# Altium PCB CATS-FAT_1..PcbDoc (part 1 of 2)
Units mil, origin at the board's own origin, x right, y up, seen from the top; angles counter-clockwise.
Board outline 3937.01 x 1299.21 mil, 4 copper layers (Top Layer, Mid Layer 1, Mid Layer 2, Bottom Layer), stack 61.811 mil thick; 165 components, 101 nets, 634 pads, 77 vias.
Unrouted connection lines stored in the file: 168.
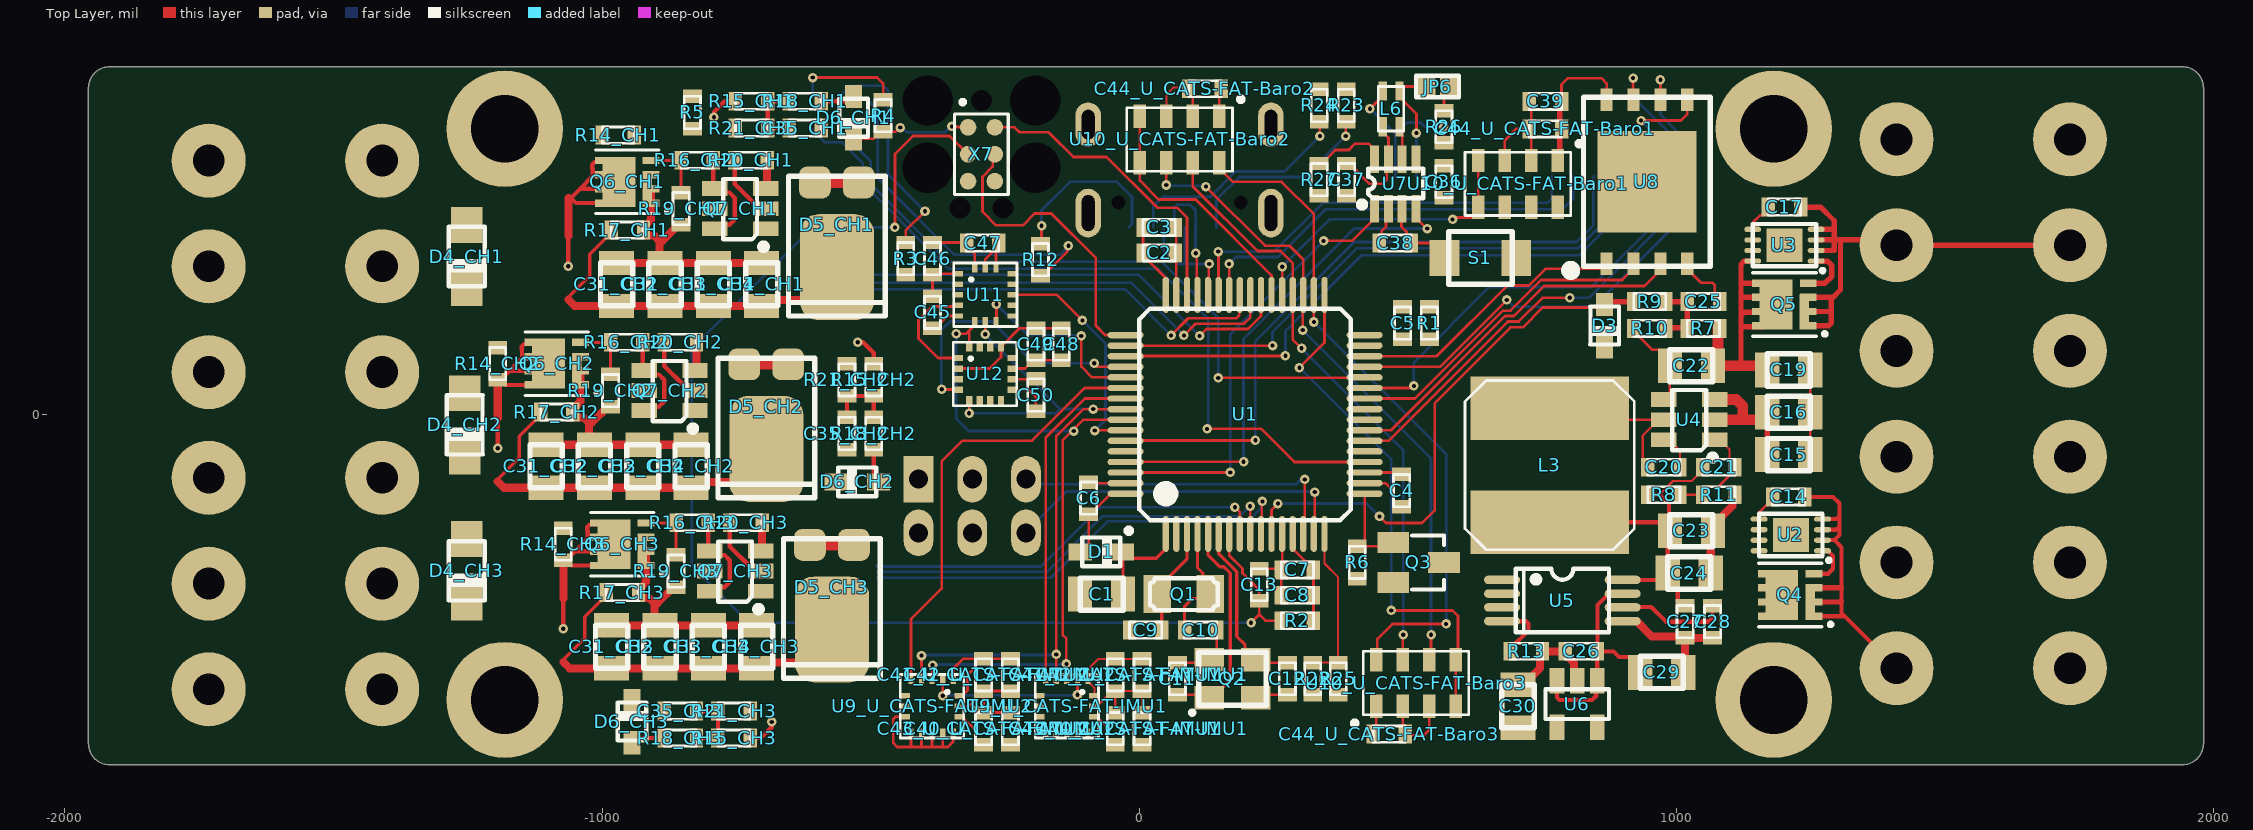
[diagram p0: Top Layer view]
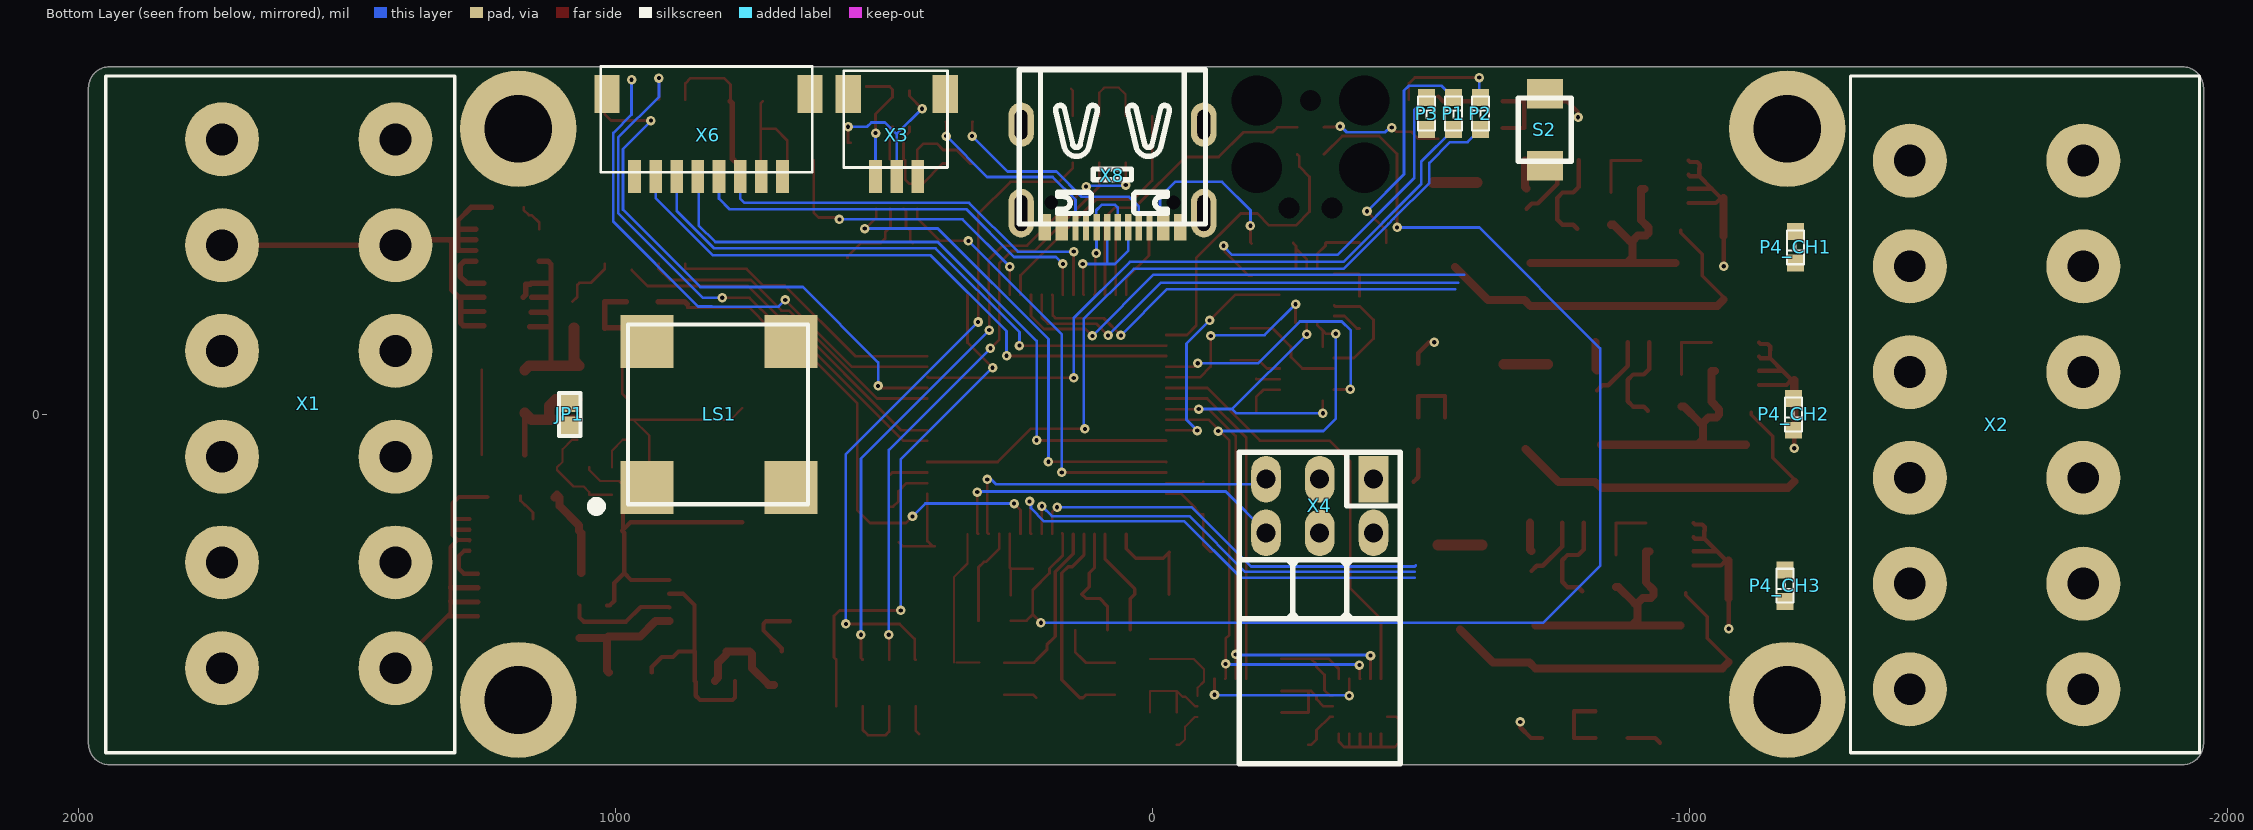
[diagram p1: Bottom Layer view, seen from below]
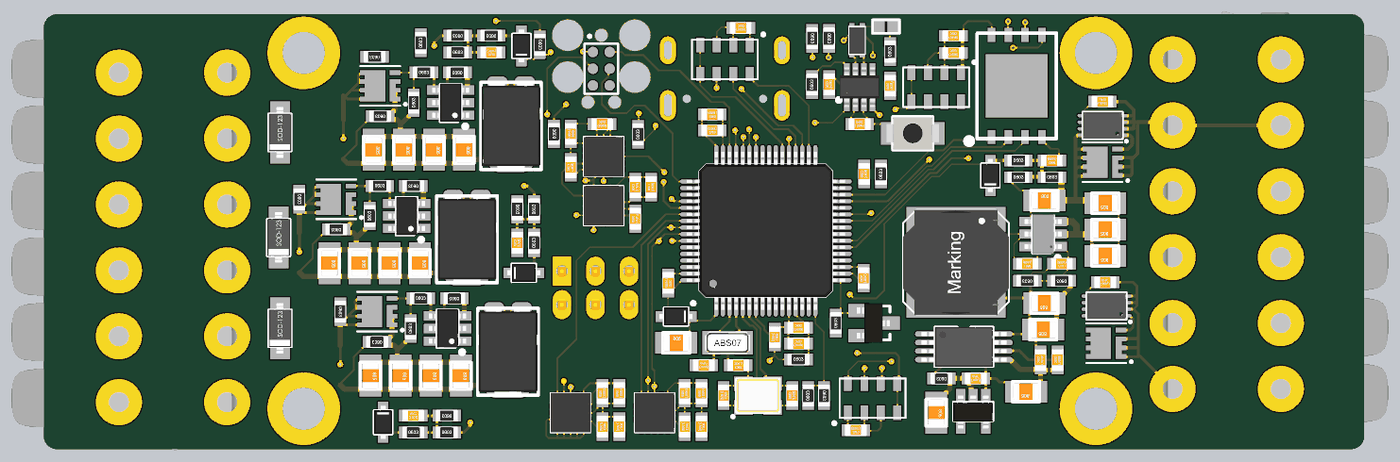
[diagram p3: 3D render of the assembled board from above, using the file's embedded part models]
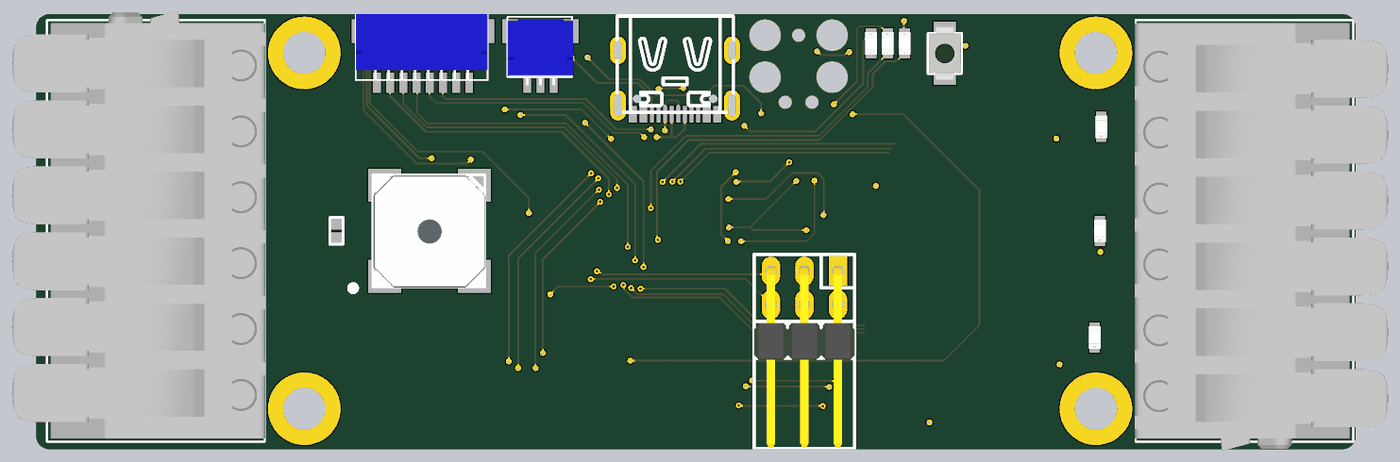
[diagram p4: 3D render of the assembled board from below, using the file's embedded part models]

## Layer stack, top to bottom
Top Solder: solder mask 0.5, Solder Resist, Dk 3.8
Top Layer: signal copper 1.378
Dielectric 1: prepreg 7.874, 7628, Dk 4.6
Mid Layer 1: signal copper 0.689
Core: core 41.9291, FR-4, Dk 4.5
Mid Layer 2: signal copper 0.689
Dielectric 2: prepreg 7.874, 7628, Dk 4.6
Bottom Layer: signal copper 1.378
Bottom Solder: solder mask 0.5, Solder Resist, Dk 3.8

## Board outline
-1916.77,-652.2 cw(c-1916.77,-612.83) -1956.14,-612.83 -1956.14,607.64 cw(c-1916.77,607.64) -1916.77,647.01 1941.5,647.01 cw(c1941.5,607.64) 1980.87,607.64 1980.87,-612.83 cw(c1941.5,-612.83) 1941.5,-652.2

## Design rules (kind name [scope] priority, off if disabled: settings)
Clearance [All] p1: gap=4 ignorepadtopadclearanceinfootprint=FALSE except(5: Arc-Via Track-Via SMDPad-Via THPad-Via Via-Via Via-Fill Via-Poly Via-Region Via-Text; 9.84: Arc-Hole Track-Hole SMDPad-Hole THPad-Hole Via-Hole Fill-Hole Poly-Hole Region-Hole Text-Hole)
DiffPairsRouting [All] p1: maxlimit=4 minlimit=4 mostfreqgap=4 toplayer_minwidth=4 toplayer_maxwidth=71497.94 toplayer_prefwidth=4 midlayer1_minwidth=4 midlayer1_maxwidth=71497.94 midlayer1_prefwidth=4 midlayer2_minwidth=4 midlayer2_maxwidth=71497.94 midlayer2_prefwidth=4 bottomlayer_minwidth=4 bottomlayer_maxwidth=71497.94 bottomlayer_prefwidth=4 maxuncoupledlength=500
PolygonConnect [All] p1: connectstyle=Relief reliefconductorwidth=10 reliefentries=4 polygonreliefangle="90 Angle" airgapwidth=10
RoomDefinition CH3 [InComponentClass('CH3')] p1: confinementstyle=ConfineIn formatcopy=TRUE lockcomponents=FALSE outline -1311.02,-645.67 -464.57,-645.67 -464.57,-171.65 -1311.02,-171.65
RoomDefinition CH2 [InComponentClass('CH2')] p2: confinementstyle=ConfineIn formatcopy=TRUE lockcomponents=FALSE outline -1314.96,-175.59 -448.82,-175.59 -448.82,164.41 -1314.96,164.41
RoomDefinition CH1 [InComponentClass('CH1')] p3: confinementstyle=ConfineIn formatcopy=TRUE lockcomponents=FALSE outline -1311.02,163.04 -464.57,163.04 -464.57,628.55 -1311.02,628.55
RoutingVias [All] p1: holewidth=7.87 width=17.72 viastyle="Through Hole" minholewidth=7.87 minwidth=17.72 maxholewidth=248.03 maxwidth=257.87
SolderMaskExpansion [All] p1: expansion=4
Width [All] p1: maxlimit=71497.94 minlimit=4 preferedwidth=4
29 further rules are at their usual default settings.

## Classes and differential pairs
channel class CATS-FAT-Pyro: CH1 CH2 CH3
channel class CATS-FAT-IMU: U_CATS-FAT-IMU1 U_CATS-FAT-IMU2
channel class CATS-FAT-Baro: U_CATS-FAT-Baro1 U_CATS-FAT-Baro2 U_CATS-FAT-Baro3
net class V_PYRO[1..3]: V_PYRO1 V_PYRO2 V_PYRO3
net class PYRO[1..3]: PYRO1 PYRO2 PYRO3
net class PL[1..3]: PL1 PL2 PL3
net class PH[1..3]: PH1 PH2 PH3
component class U_CATS-FAT-USB: R22 R23 R24 R25 X8
component class U_CATS-FAT-Storage: C39 U8
component class U_CATS-FAT-PM: C20 C21 C22 C23 C24 C25 C26 C27 C28 C29 C30 D3 L3 P3 R7 R8 R9 R10 R11 R12 R13 U4 U5 U6
component class U_CATS-FAT-MCU: C1 C2 C3 C4 C5 C6 C7 C8 C9 C10 C11 C12 C13 D1 LS1 P1 P2 Q1 Q2 Q3 R1 R2 R3 R4 R5 R6 S1 S2 U1 X7
component class U_CATS-FAT-Mageto: C48 C49 C50 U12
component class U_CATS-FAT-IMU2: C40_U_CATS-FAT-IMU2 C41_U_CATS-FAT-IMU2 C42_U_CATS-FAT-IMU2 C43_U_CATS-FAT-IMU2 U9_U_CATS-FAT-IMU2
component class U_CATS-FAT-IMU1: C40_U_CATS-FAT-IMU1 C41_U_CATS-FAT-IMU1 C42_U_CATS-FAT-IMU1 C43_U_CATS-FAT-IMU1 U9_U_CATS-FAT-IMU1
component class U_CATS-FAT-CAN: C36 C37 C38 JP6 L6 R26 R27 U7
component class U_CATS-FAT-Battery-Interface: C14 C15 C16 C17 C19 Q4 Q5 U2 U3
component class U_CATS-FAT-Baro3: C44_U_CATS-FAT-Baro3 U10_U_CATS-FAT-Baro3
component class U_CATS-FAT-Baro2: C44_U_CATS-FAT-Baro2 U10_U_CATS-FAT-Baro2
component class U_CATS-FAT-Baro1: C44_U_CATS-FAT-Baro1 U10_U_CATS-FAT-Baro1
component class U_CATS-FAT-Accel: C45 C46 C47 U11
component class CH3: C31_CH3 C32_CH3 C33_CH3 C34_CH3 C35_CH3 D4_CH3 D5_CH3 D6_CH3 P4_CH3 Q6_CH3 Q7_CH3 R14_CH3 R15_CH3 R16_CH3 R17_CH3 R18_CH3 R19_CH3 R20_CH3 R21_CH3
component class CH2: C31_CH2 C32_CH2 C33_CH2 C34_CH2 C35_CH2 D4_CH2 D5_CH2 D6_CH2 P4_CH2 Q6_CH2 Q7_CH2 R14_CH2 R15_CH2 R16_CH2 R17_CH2 R18_CH2 R19_CH2 R20_CH2 R21_CH2
component class CH1: C31_CH1 C32_CH1 C33_CH1 C34_CH1 C35_CH1 D4_CH1 D5_CH1 D6_CH1 P4_CH1 Q6_CH1 Q7_CH1 R14_CH1 R15_CH1 R16_CH1 R17_CH1 R18_CH1 R19_CH1 R20_CH1 R21_CH1
component class CATS-FAT-Overview: JP1 X1 X2 X3 X4 X6
differential pair USB: +USB_P -USB_N

## Components (designator, comment, footprint, x,y, rotation, side; value= is the part's Value field where it differs from the comment)
C1 "47uF" "SMD Keramikkondensator 0805" -70.24,-334.65 r0 top
C2 "4.7uF" "SMD Keramikkondensator 0603" 36.93,300.71 r180 top
C3 "100nF" "SMD Keramikkondensator 0603" 36.93,347.95 r180 top
C4 "100nF" "SMD Keramikkondensator 0603" 488.19,-141.73 r90 top
C5 "100nF" "SMD Keramikkondensator 0603" 490,170 r90 top
C6 "100nF" "SMD Keramikkondensator 0603" -94.49,-155.98 r270 top
C7 "100nF" "SMD Keramikkondensator 0603" 294,-289.51 r0 top
C8 "10nF" "SMD Keramikkondensator 0603" 294,-336.76 r0 top
C9 "10pF" "SMD Keramikkondensator 0603" 11.81,-401.57 r0 top
C10 "10pF" "SMD Keramikkondensator 0603" 114.17,-401.57 r180 top
C11 "10pF" "SMD Keramikkondensator 0603" 70.87,-492.13 r270 top
C12 "10pF" "SMD Keramikkondensator 0603" 275.59,-492.13 r90 top
C13 "100nF" "SMD Keramikkondensator 0603" 223.13,-317.07 r270 top
C14 "100nF" "SMD Keramikkondensator 0603" 1208.66,-153.54 r0 top
C15 "22uF" "SMD Keramikkondensator 0805" 1208.66,-74.8 r180 top
C16 "22uF" "SMD Keramikkondensator 0805" 1208.66,3.94 r180 top
C17 "100nF" "SMD Keramikkondensator 0603" 1200.79,385.83 r0 top
C19 "22uF" "SMD Keramikkondensator 0805" 1208.66,82.68 r180 top
C20 "100nF" "SMD Keramikkondensator 0603" 976.38,-98.43 r180 top
C21 "47pF" "SMD Keramikkondensator 0603" 1078.74,-98.43 r180 top
C22 "22uF" "SMD Keramikkondensator 0805" 1027.56,90.55 r0 top
C23 "22uF" "SMD Keramikkondensator 0805" 1027.56,-216.54 r180 top
C24 "22uF" "SMD Keramikkondensator 0805" 1023.62,-295.28 r180 top
C25 "10nF" "SMD Keramikkondensator 0603" 1050,210 r180 top
C26 "100nF" "SMD Keramikkondensator 0603" 822.83,-440.94 r0 top
C27 "100nF" "SMD Keramikkondensator 0603" 1015.75,-385.83 r90 top
C28 "100nF" "SMD Keramikkondensator 0603" 1066.93,-385.83 r90 top
C29 "22uF" "SMD Keramikkondensator 0805" 972.44,-480.32 r180 top
C30 "22uF" "SMD Keramikkondensator 0805" 704.72,-543.31 r270 top
C31_CH1 "22uF" "SMD Keramikkondensator 0805" -972.99,242.02 r270 top (schematic designator C31)
C31_CH2 "22uF" "SMD Keramikkondensator 0805" -1104.35,-96.54 r270 top (schematic designator C31)
C31_CH3 "22uF" "SMD Keramikkondensator 0805" -982.3,-432.6 r270 top (schematic designator C31)
C32_CH1 "22uF" "SMD Keramikkondensator 0805" -882.99,242.02 r270 top (schematic designator C32)
C32_CH2 "22uF" "SMD Keramikkondensator 0805" -1014.35,-96.54 r270 top (schematic designator C32)
C32_CH3 "22uF" "SMD Keramikkondensator 0805" -892.3,-432.6 r270 top (schematic designator C32)
C33_CH1 "22uF" "SMD Keramikkondensator 0805" -792.99,242.02 r270 top (schematic designator C33)
C33_CH2 "22uF" "SMD Keramikkondensator 0805" -924.35,-96.54 r270 top (schematic designator C33)
C33_CH3 "22uF" "SMD Keramikkondensator 0805" -802.3,-432.6 r270 top (schematic designator C33)
C34_CH1 "22uF" "SMD Keramikkondensator 0805" -702.99,242.02 r270 top (schematic designator C34)
C34_CH2 "22uF" "SMD Keramikkondensator 0805" -834.35,-96.54 r270 top (schematic designator C34)
C34_CH3 "22uF" "SMD Keramikkondensator 0805" -712.3,-432.6 r270 top (schematic designator C34)
C35_CH1 "10nF" "SMD Keramikkondensator 0603" -621.87,532.94 r180 top (schematic designator C35)
C35_CH2 "10nF" "SMD Keramikkondensator 0603" -544.35,-35.59 r90 top (schematic designator C35)
C35_CH3 "10nF" "SMD Keramikkondensator 0603" -854.41,-552.36 r0 top (schematic designator C35)
C36 "47pF" "SMD Keramikkondensator 0603" 566.93,433.07 r90 top
C37 "47pF" "SMD Keramikkondensator 0603" 385.83,437.01 r90 top
C38 "100nF" "SMD Keramikkondensator 0603" 476.38,318.9 r0 top
C39 "100nF" "SMD Keramikkondensator 0603" 755.91,582.68 r0 top
C40_U_CATS-FAT-IMU1 "100nF" "SMD Keramikkondensator 0603" 5,-585 r270 top (schematic designator C40)
C40_U_CATS-FAT-IMU2 "100nF" "SMD Keramikkondensator 0603" -240,-585 r270 top (schematic designator C40)
C41_U_CATS-FAT-IMU1 "2.2uF" "SMD Keramikkondensator 0603" -45,-485 r90 top (schematic designator C41)
C41_U_CATS-FAT-IMU2 "2.2uF" "SMD Keramikkondensator 0603" -290,-485 r90 top (schematic designator C41)
C42_U_CATS-FAT-IMU1 "10nF" "SMD Keramikkondensator 0603" 5,-485 r90 top (schematic designator C42)
C42_U_CATS-FAT-IMU2 "10nF" "SMD Keramikkondensator 0603" -240,-485 r90 top (schematic designator C42)
C43_U_CATS-FAT-IMU1 "470nF" "SMD Keramikkondensator 0603" -45,-585 r270 top (schematic designator C43)
C43_U_CATS-FAT-IMU2 "470nF" "SMD Keramikkondensator 0603" -290,-585 r270 top (schematic designator C43)
C44_U_CATS-FAT-Baro1 "100nF" "SMD Keramikkondensator 0603" 755.91,531.5 r0 top (schematic designator C44)
C44_U_CATS-FAT-Baro2 "100nF" "SMD Keramikkondensator 0603" 122.05,606.3 r0 top (schematic designator C44)
C44_U_CATS-FAT-Baro3 "100nF" "SMD Keramikkondensator 0603" 465,-595 r180 top (schematic designator C44)
C45 "100nF" "SMD Keramikkondensator 0603" -385,190 r90 top
C46 "4.7uF" "SMD Keramikkondensator 0603" -385,290 r270 top
C47 "100nF" "SMD Keramikkondensator 0603" -291.65,318.9 r0 top
C48 "100nF" "SMD Keramikkondensator 0603" -145.35,130.55 r90 top
C49 "100nF" "SMD Keramikkondensator 0603" -192.6,130.55 r90 top
C50 "10nF" "SMD Keramikkondensator 0603" -192.6,36.06 r90 top
D1 "B0530WSRRGCT" "SMD Diode SOD-323F" -70.87,-255.91 r0 top
D3 "B0530WSRRGCT" "SMD Diode SOD-323F" 866.14,165.35 r270 top
D4_CH1 "PMEG4030ER,115" "SMD Diode SOD-123" -1251.97,293.91 r270 top (schematic designator D4)
D4_CH2 "PMEG4030ER,115" "SMD Diode SOD-123" -1255.91,-19.69 r270 top (schematic designator D4)
D4_CH3 "PMEG4030ER,115" "SMD Diode SOD-123" -1251.97,-291.34 r270 top (schematic designator D4)
D5_CH1 "MBR15U60-TP" "SMD Diode TO-277" -562.99,352.96 r270 top (schematic designator D5)
D5_CH2 "MBR15U60-TP" "SMD Diode TO-277" -694.35,14.41 r270 top (schematic designator D5)
D5_CH3 "MBR15U60-TP" "SMD Diode TO-277" -572.3,-321.65 r270 top (schematic designator D5)
D6_CH1 "B0530WSRRGCT" "SMD Diode SOD-323F" -531.87,552.31 r270 top (schematic designator D6)
D6_CH2 "B0530WSRRGCT" "SMD Diode SOD-323F" -524.98,-125.59 r180 top (schematic designator D6)
D6_CH3 "B0530WSRRGCT" "SMD Diode SOD-323F" -944.41,-571.73 r90 top (schematic designator D6)
JP1 "Jumper" "SMD Solder Jumper 1x2mm" 1085,0 r90 bottom
JP6 "Jumper" "SMD Solder Jumper 1x2mm" 555.12,610.24 r0 top
L3 "6.8µH" "SMD Inductor 8x8" 763.78,-94.49 r0 top
L6 "Common Mode Choke" "SMD Common Mode Choke 2x1.2" 484.25,535.43 r90 top
LS1 "Buzzer" "SMD BUZZER CMT-8504" 807.09,0 r90 bottom
P1 "LED" "SMD LED 0603" -560,560 r270 bottom
P2 "LED" "SMD LED 0603" -610,560 r270 bottom
P3 "LED" "SMD LED 0603" -510,560 r270 bottom
P4_CH1 "LED" "SMD LED 0603" -1196.85,311.02 r90 bottom (schematic designator P4)
P4_CH2 "LED" "SMD LED 0603" -1192.91,0 r90 bottom (schematic designator P4)
P4_CH3 "LED" "SMD LED 0603" -1177.17,-318.9 r90 bottom (schematic designator P4)
Q1 "32.768kHz" "SMD Crystal 3.2x1.5x0.9" 82.68,-334.65 r0 top
Q2 "8MHz" "SMD Crystal 3.2X2.5X0.8" 173.23,-492.13 r0 top
Q3 "2N7002" "SMD MOSFET SOT-23" 519.68,-275.59 r270 top
Q4 "AON7524" "SMD MOSFET DFN 3x3 EP" 1211.61,-336.02 r180 top
Q5 "AON7524" "SMD MOSFET DFN 3x3 EP" 1200.79,204.72 r180 top
Q6_CH1 "AON7524" "SMD MOSFET DFN 3x3 EP" -952.99,432.96 r180 top (schematic designator Q6)
Q6_CH2 "AON7524" "SMD MOSFET DFN 3x3 EP" -1084.35,94.41 r180 top (schematic designator Q6)
Q6_CH3 "AON7524" "SMD MOSFET DFN 3x3 EP" -962.3,-241.65 r180 top (schematic designator Q6)
Q7_CH1 "ZXGD3009E6" "SMD IC SOT-23-6" -742.99,382.96 r90 top (schematic designator Q7)
Q7_CH2 "ZXGD3009E6" "SMD IC SOT-23-6" -874.35,44.41 r90 top (schematic designator Q7)
Q7_CH3 "ZXGD3009E6" "SMD IC SOT-23-6" -752.3,-291.65 r90 top (schematic designator Q7)
R1 "10k" "SMD Widerstand 0603" 540,170 r90 top
R2 "10k" "SMD Widerstand 0603" 294,-384 r0 top
R3 "1.0k" "SMD Widerstand 0603" -435,290 r270 top
R4 "1.0k" "SMD Widerstand 0603" -477,556 r270 top
R5 "10k" "SMD Widerstand 0603" -832,562 r90 top
R6 "10k" "SMD Widerstand 0603" 405.51,-275.59 r90 top
R7 "91k" "SMD Widerstand 0603" 1050,160 r0 top
R8 "43k" "SMD Widerstand 0603" 976.38,-149.61 r180 top
R9 "10k" "SMD Widerstand 0603" 950,210 r0 top
R10 "10k" "SMD Widerstand 0603" 950,160 r0 top
R11 "8.2k" "SMD Widerstand 0603" 1078.74,-149.61 r180 top
R12 "1.0k" "SMD Widerstand 0603" -184,288 r90 top
R13 "560" "SMD Widerstand 0603" 720.47,-440.94 r180 top
R14_CH1 "36k" "SMD Widerstand 0603" -970,520 r180 top (schematic designator R14)
R14_CH2 "36k" "SMD Widerstand 0603" -1194.35,94.41 r270 top (schematic designator R14)
R14_CH3 "36k" "SMD Widerstand 0603" -1072.3,-241.65 r270 top (schematic designator R14)
R15_CH1 "91k" "SMD Widerstand 0603" -721.87,582.94 r180 top (schematic designator R15)
R15_CH2 "91k" "SMD Widerstand 0603" -494.35,64.41 r90 top (schematic designator R15)
R15_CH3 "91k" "SMD Widerstand 0603" -754.41,-602.36 r0 top (schematic designator R15)
R16_CH1 "270" "SMD Widerstand 0603" -822.99,472.96 r0 top (schematic designator R16)
R16_CH2 "270" "SMD Widerstand 0603" -954.35,134.41 r0 top (schematic designator R16)
R16_CH3 "270" "SMD Widerstand 0603" -832.3,-201.65 r0 top (schematic designator R16)
R17_CH1 "2.0k" "SMD Widerstand 0603" -952.99,342.96 r180 top (schematic designator R17)
R17_CH2 "2.0k" "SMD Widerstand 0603" -1084.35,4.41 r180 top (schematic designator R17)
R17_CH3 "2.0k" "SMD Widerstand 0603" -962.3,-331.65 r180 top (schematic designator R17)
R18_CH1 "10k" "SMD Widerstand 0603" -621.87,582.94 r180 top (schematic designator R18)
R18_CH2 "10k" "SMD Widerstand 0603" -494.35,-35.59 r90 top (schematic designator R18)
R18_CH3 "10k" "SMD Widerstand 0603" -854.41,-602.36 r0 top (schematic designator R18)
R19_CH1 "10k" "SMD Widerstand 0603" -852.99,382.96 r90 top (schematic designator R19)